# Altium PCB UmTRXv2.PcbDoc (part 6 of 25)
Units mm, origin at the board's own origin, x right, y up, seen from the top; angles counter-clockwise.
Board outline 159.5 x 99.5 mm, 6 copper layers (Top Layer, GND, MidLayer1, Mid-Layer 2, InternalPlane2, Bottom Layer), stack 1.526 mm thick; 708 components, 578 nets, 2802 pads, 1408 vias.
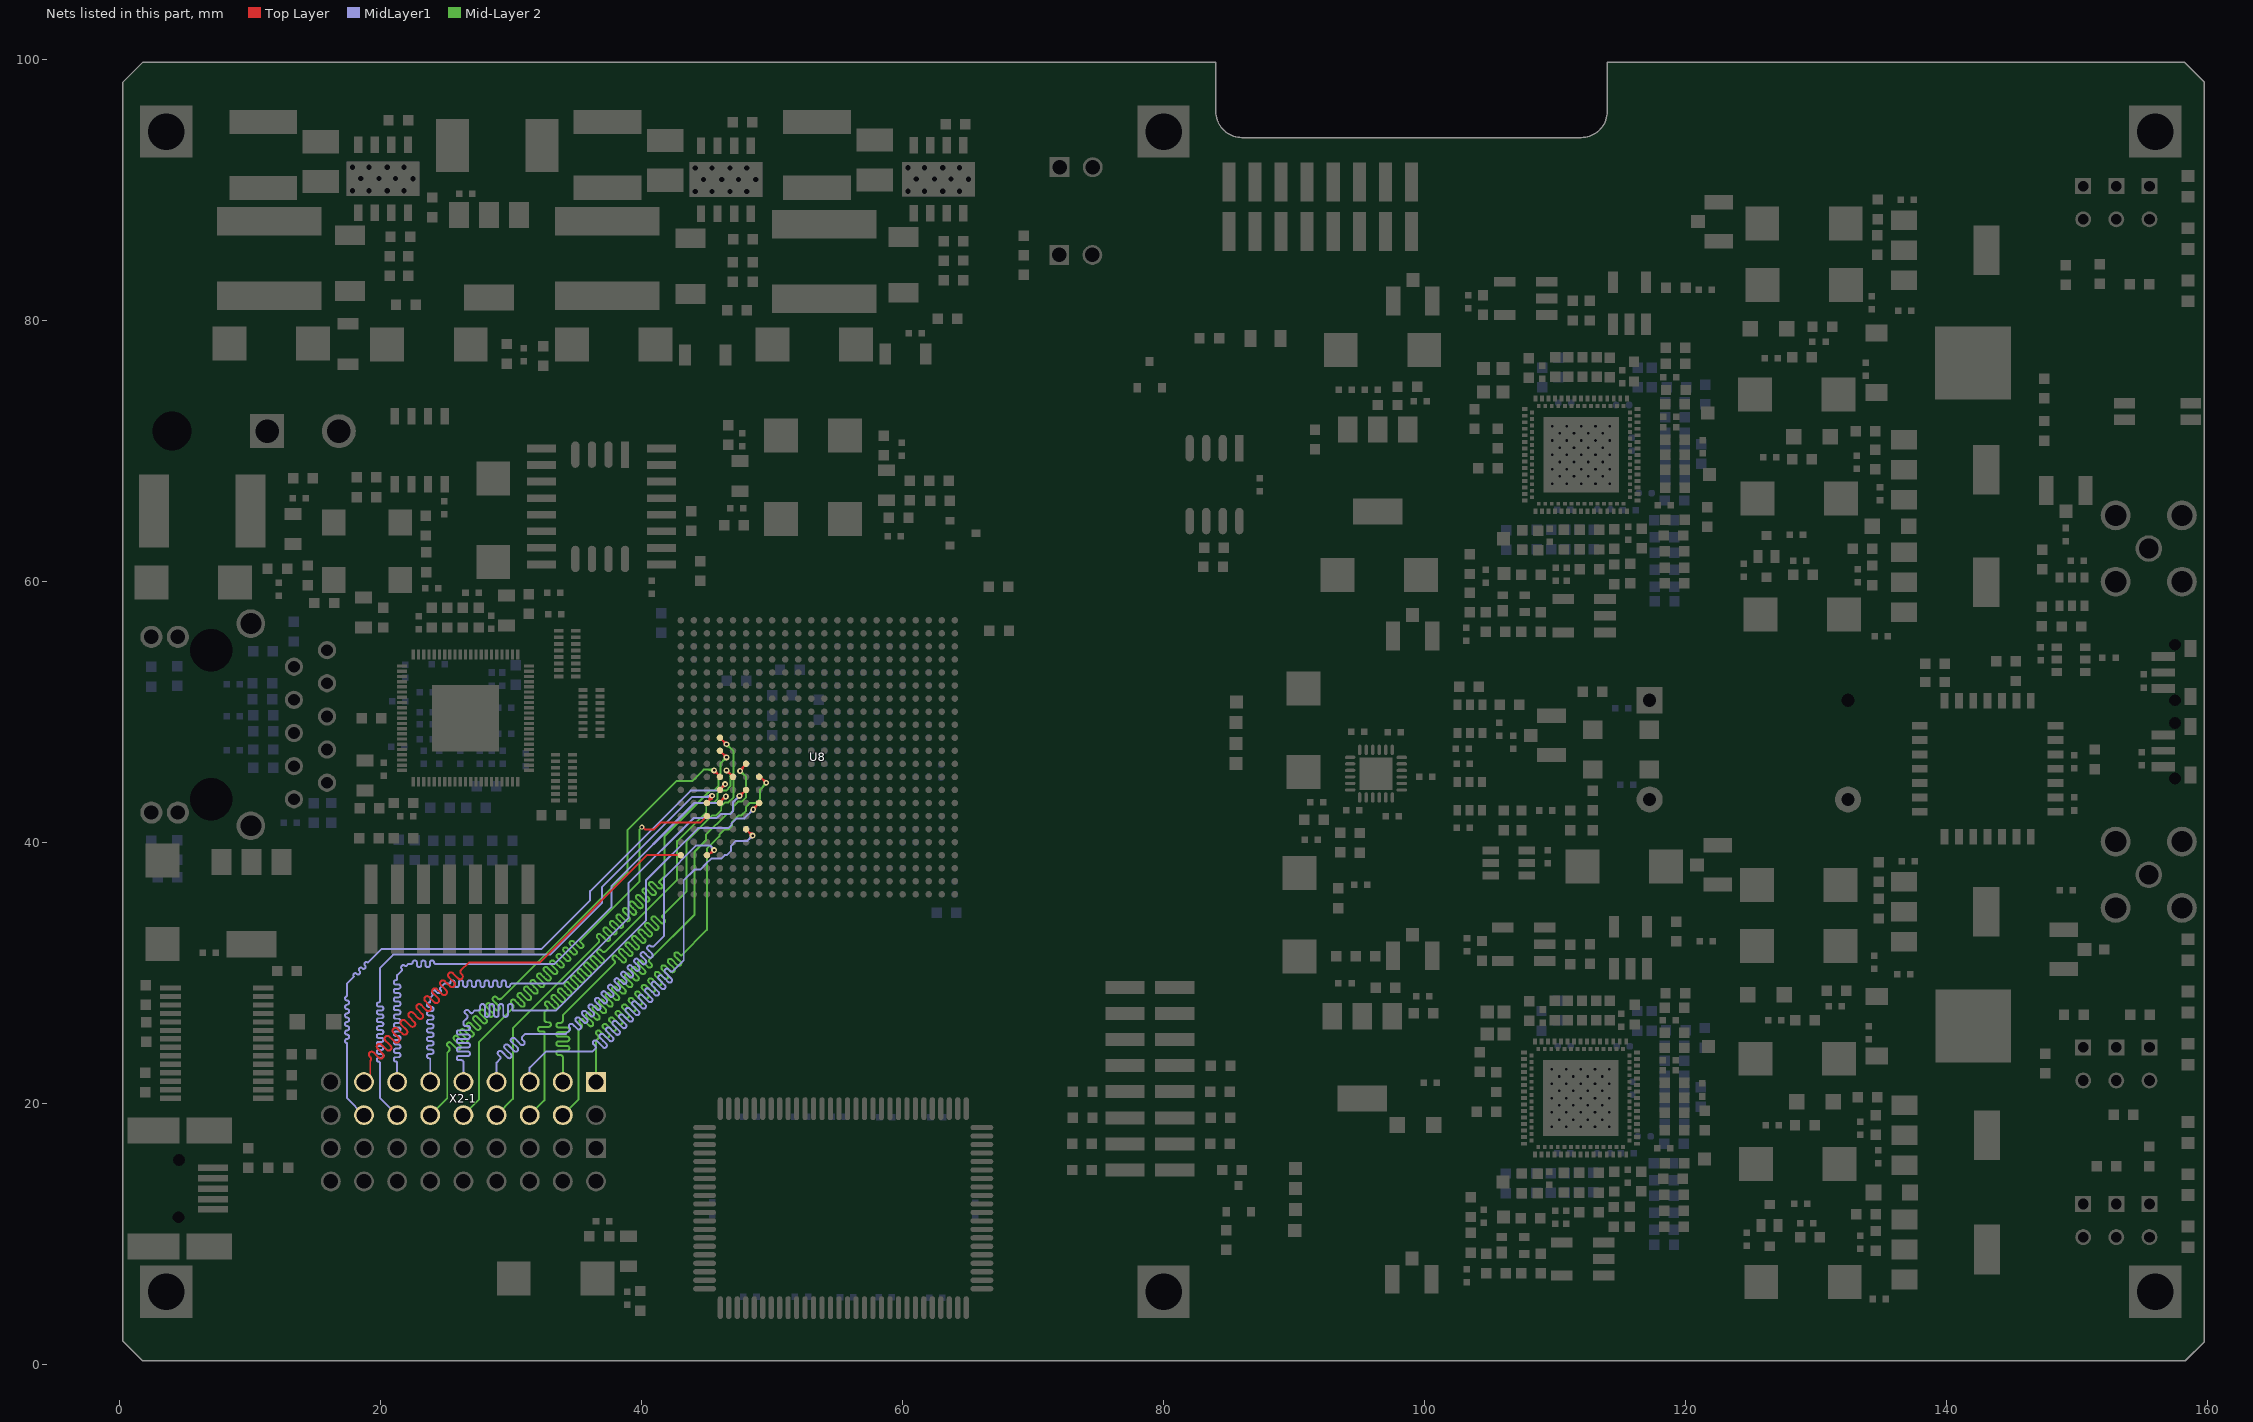
[diagram p10: the nets of this part, all layers, seen from the top]

## Via types
v1: diameter 0.5, hole 0.2, Top Layer to Bottom Layer, tented both sides, 441 vias
v2: diameter 0.45, hole 0.2, Top Layer to Bottom Layer, tented both sides, 429 vias
v3: diameter 0.7, hole 0.3, Top Layer to Bottom Layer, tented both sides, 258 vias
v4: diameter 0.4, hole 0.2, Top Layer to Bottom Layer, tented both sides, 197 vias
v5: diameter 0.8, hole 0.3, Top Layer to Bottom Layer, tented both sides, 61 vias
v6: diameter 0.6, hole 0.25, Top Layer to Bottom Layer, tented both sides, 16 vias
v7: diameter 0.6, hole 0.3, Top Layer to Bottom Layer, tented both sides, 4 vias
v8: diameter 1, hole 0.5, Top Layer to Bottom Layer, tented both sides, 2 vias

## Nets (pads, with @x,y where several pads share a name; then routed paths per layer and width w, separated by ;. In a path a pad name is that pad's centre, name@x,y a point inside that pad or via, vN(x,y) a via of type N, cw(c..) or ccw(c..) an arc to the next point about the centre after c; other vN are vias at no path point) (continued)
DEBUG0: U8.D22 X2-1.15 | length 49.9
  Top Layer w0.15: X2-1.15@18.72,21.62 19.2,22.1 19.2,23.225 ccw(c19.048,23.377) 19.2,23.529 19.15,23.579 cw(c19.302,23.73) 19.15,23.882 cw(c19.302,23.73) 19.454,23.882 19.655,23.68 19.857,23.479 ccw(c20.009,23.631) 20.161,23.479 ccw(c20.009,23.631) 20.161,23.782 19.959,23.984 19.757,24.186 cw(c19.909,24.338) 19.757,24.489 cw(c19.909,24.338) 20.061,24.489 20.263,24.288 20.464,24.086 ccw(c20.616,24.238) 20.768,24.086 ccw(c20.616,24.238) 20.768,24.39 20.566,24.591 20.365,24.793 cw(c20.516,24.945) 20.365,25.097 cw(c20.516,24.945) 20.668,25.097 20.87,24.895 21.072,24.693 ccw(c21.224,24.845) 21.375,24.693 ccw(c21.224,24.845) 21.375,24.997 21.174,25.199 20.972,25.4 cw(c21.124,25.552) 20.972,25.704 cw(c21.124,25.552) 21.275,25.704 21.477,25.502 21.679,25.3 ccw(c21.831,25.452) 21.983,25.3 ccw(c21.831,25.452) 21.983,25.604 21.579,26.008 cw(c21.731,26.159) 21.579,26.311 cw(c21.731,26.159) 21.883,26.311 22.286,25.908 ccw(c22.438,26.06) 22.59,25.908 ccw(c22.438,26.06) 22.59,26.211 22.186,26.615 cw(c22.338,26.767) 22.186,26.918 cw(c22.338,26.767) 22.49,26.918 22.893,26.515 ccw(c23.045,26.667) 23.197,26.515 ccw(c23.045,26.667) 23.197,26.819 22.794,27.222 cw(c22.945,27.374) 22.794,27.526 cw(c22.945,27.374) 23.097,27.526 23.299,27.324 23.501,27.122 ccw(c23.653,27.274) 23.804,27.122 ccw(c23.653,27.274) 23.804,27.426 23.603,27.628 23.401,27.829 cw(c23.553,27.981) 23.401,28.133 cw(c23.553,27.981) 23.705,28.133 23.906,27.931 24.108,27.73 ccw(c24.26,27.881) 24.412,27.73 ccw(c24.26,27.881) 24.412,28.033 24.21,28.235 24.008,28.437 cw(c24.16,28.588) 24.008,28.74 cw(c24.16,28.588) 24.312,28.74 24.514,28.539 24.715,28.337 ccw(c24.867,28.489) 25.019,28.337 ccw(c24.867,28.489) 25.019,28.64 24.817,28.842 24.615,29.044 cw(c24.767,29.196) 24.615,29.348 cw(c24.767,29.196) 24.919,29.348 25.121,29.146 25.323,28.944 ccw(c25.474,29.096) 25.626,28.944 ccw(c25.474,29.096) 25.626,29.248 25.424,29.449 25.223,29.651 cw(c25.375,29.803) 25.223,29.955 cw(c25.375,29.803) 25.526,29.955 25.728,29.753 25.93,29.551 ccw(c26.082,29.703) 26.233,29.551 ccw(c26.082,29.703) 26.233,29.855 26.15,29.938 cw(c26.268,30.057) 26.15,30.175 26.75,30.775 32.175,30.775 40.4,39 U8.D22@43,39
DEBUG1: U8.H19 X2-1.13 | length 54.1
  Top Layer w0.15: U8.H19@45.95,43.05 46.4,43.5 v2(46.45,43.5) ; U8.H19@46.109,43.209 cw(c46.45,42.867) v2@46.45,43.35 ; U8.H19@46.109,43.209 cw(c46.45,42.867) v2@46.45,43.35 ; U8.H19@46.109,43.209 cw(c46.45,42.867) v2@46.45,43.35 ; 46.229,43.329 ccw(c46.059,43.5) v2@46.3,43.5 ; 46.229,43.329 ccw(c46.059,43.5) v2@46.3,43.5 ; 46.229,43.329 ccw(c46.059,43.5) v2@46.3,43.5 ; 46.231,43.291 ccw(c46.15,43.596) v2(46.45,43.5) ; 46.231,43.291 ccw(c46.15,43.596) v2(46.45,43.5) ; 46.231,43.291 ccw(c46.15,43.596) v2(46.45,43.5)
  MidLayer1 w0.15: X2-1.13@21.26,21.62 21.26,23.086 ccw(c21.158,23.086) 21.158,23.189 cw(c21.158,23.336) 21.01,23.336 21.01,23.369 cw(c21.158,23.369) 21.158,23.517 21.362,23.517 ccw(c21.362,23.664) 21.51,23.664 21.51,23.697 ccw(c21.362,23.697) 21.362,23.844 21.158,23.844 cw(c21.158,23.992) 21.01,23.992 21.01,24.025 cw(c21.158,24.025) 21.158,24.172 21.362,24.172 ccw(c21.362,24.32) 21.51,24.32 21.51,24.353 ccw(c21.362,24.353) 21.362,24.5 21.158,24.5 cw(c21.158,24.648) 21.01,24.648 21.01,24.68 cw(c21.158,24.68) 21.158,24.828 21.362,24.828 ccw(c21.362,24.975) 21.51,24.975 21.51,25.008 ccw(c21.362,25.008) 21.362,25.156 21.158,25.156 cw(c21.158,25.303) 21.01,25.303 21.01,25.336 cw(c21.158,25.336) 21.158,25.483 21.362,25.483 ccw(c21.362,25.631) 21.51,25.631 21.51,25.664 ccw(c21.362,25.664) 21.362,25.811 21.158,25.811 cw(c21.158,25.959) 21.01,25.959 21.01,25.992 cw(c21.158,25.992) 21.158,26.139 21.362,26.139 ccw(c21.362,26.287) 21.51,26.287 21.51,26.319 ccw(c21.362,26.319) 21.362,26.467 21.158,26.467 cw(c21.158,26.614) 21.01,26.614 21.01,26.647 cw(c21.158,26.647) 21.158,26.795 21.362,26.795 ccw(c21.362,26.942) 21.51,26.942 21.51,26.975 ccw(c21.362,26.975) 21.362,27.122 21.158,27.122 cw(c21.158,27.27) 21.01,27.27 21.01,27.303 cw(c21.158,27.303) 21.158,27.45 21.362,27.45 ccw(c21.362,27.598) 21.51,27.598 21.51,27.631 ccw(c21.362,27.631) 21.362,27.778 21.158,27.778 cw(c21.158,27.926) 21.01,27.926 21.01,27.958 cw(c21.158,27.958) 21.158,28.106 21.362,28.106 ccw(c21.362,28.253) 21.51,28.253 21.51,28.286 ccw(c21.362,28.286) 21.362,28.434 21.158,28.434 cw(c21.158,28.581) 21.01,28.581 21.01,28.614 cw(c21.158,28.614) 21.158,28.761 21.362,28.761 ccw(c21.362,28.909) 21.51,28.909 21.51,28.942 ccw(c21.362,28.942) 21.362,29.089 21.158,29.089 cw(c21.158,29.237) 21.01,29.237 21.01,29.27 cw(c21.158,29.27) 21.158,29.417 ccw(c21.158,29.52) 21.26,29.52 21.26,29.81 21.606,30.156 ccw(c21.533,30.228) 21.606,30.301 cw(c21.71,30.405) 21.606,30.509 21.629,30.533 cw(c21.733,30.428) 21.838,30.533 ccw(c21.91,30.605) 21.983,30.533 22.125,30.675 22.35,30.675 ccw(c22.35,30.777) 22.453,30.777 cw(c22.6,30.777) 22.6,30.925 22.633,30.925 cw(c22.633,30.777) 22.781,30.777 22.781,30.573 ccw(c22.928,30.573) 22.928,30.425 22.961,30.425 ccw(c22.961,30.573) 23.108,30.573 23.108,30.777 cw(c23.256,30.777) 23.256,30.925 23.289,30.925 cw(c23.289,30.777) 23.436,30.777 23.436,30.573 ccw(c23.584,30.573) 23.584,30.425 23.616,30.425 ccw(c23.616,30.573) 23.764,30.573 23.764,30.777 cw(c23.912,30.777) 23.912,30.925 23.944,30.925 cw(c23.944,30.777) 24.092,30.777 ccw(c24.194,30.777) 24.194,30.675 33.325,30.675 37.675,35.025 37.675,36.625 44.05,43 45.95,43 v2(46.45,43.5) ; 46.194,43.244 cw(c46.45,42.988) v2@46.45,43.35 ; 46.194,43.244 ccw(c45.938,43.5) v2@46.3,43.5 ; 46.194,43.244 ccw(c45.938,43.5) v2@46.3,43.5 ; 46.194,43.244 cw(c46.45,42.988) v2@46.45,43.35 ; 46.194,43.244 ccw(c45.938,43.5) v2@46.3,43.5 ; 46.194,43.244 cw(c46.45,42.988) v2@46.45,43.35
DEBUG2: U8.J17 X2-1.11 | length 54.1
  Top Layer w0.15: U8.J17@48,44 47.55,43.55 v2(47.5,43.55) ; v2(47.5,43.55) cw(c47.8,43.454) 47.719,43.759 ; v2(47.5,43.55) cw(c47.8,43.454) 47.719,43.759 ; v2(47.5,43.55) cw(c47.8,43.454) 47.719,43.759 ; v2@47.5,43.7 ccw(c47.5,44.183) U8.J17@47.841,43.841 ; v2@47.5,43.7 ccw(c47.5,44.183) U8.J17@47.841,43.841 ; v2@47.5,43.7 ccw(c47.5,44.183) U8.J17@47.841,43.841 ; v2@47.65,43.55 cw(c47.891,43.55) 47.721,43.721 ; v2@47.65,43.55 cw(c47.891,43.55) 47.721,43.721 ; v2@47.65,43.55 cw(c47.891,43.55) 47.721,43.721
  MidLayer1 w0.15: X2-1.11@23.8,21.62 23.8,23.336 ccw(c23.698,23.336) 23.698,23.439 cw(c23.698,23.586) 23.55,23.586 23.55,23.619 cw(c23.698,23.619) 23.698,23.767 23.902,23.767 ccw(c23.902,23.914) 24.05,23.914 24.05,23.947 ccw(c23.902,23.947) 23.902,24.094 23.698,24.094 cw(c23.698,24.242) 23.55,24.242 23.55,24.275 cw(c23.698,24.275) 23.698,24.422 23.902,24.422 ccw(c23.902,24.57) 24.05,24.57 24.05,24.603 ccw(c23.902,24.603) 23.902,24.75 23.698,24.75 cw(c23.698,24.898) 23.55,24.898 23.55,24.93 cw(c23.698,24.93) 23.698,25.078 23.902,25.078 ccw(c23.902,25.225) 24.05,25.225 24.05,25.258 ccw(c23.902,25.258) 23.902,25.406 23.698,25.406 cw(c23.698,25.553) 23.55,25.553 23.55,25.586 cw(c23.698,25.586) 23.698,25.733 23.902,25.733 ccw(c23.902,25.881) 24.05,25.881 24.05,25.914 ccw(c23.902,25.914) 23.902,26.061 23.698,26.061 cw(c23.698,26.209) 23.55,26.209 23.55,26.242 cw(c23.698,26.242) 23.698,26.389 23.902,26.389 ccw(c23.902,26.537) 24.05,26.537 24.05,26.569 ccw(c23.902,26.569) 23.902,26.717 23.698,26.717 cw(c23.698,26.864) 23.55,26.864 23.55,26.897 cw(c23.698,26.897) 23.698,27.045 23.902,27.045 ccw(c23.902,27.192) 24.05,27.192 24.05,27.225 ccw(c23.902,27.225) 23.902,27.372 23.698,27.372 cw(c23.698,27.52) 23.55,27.52 23.55,27.553 cw(c23.698,27.553) 23.698,27.7 ccw(c23.698,27.803) 23.8,27.803 23.8,28.075 23.959,28.234 ccw(c23.887,28.307) 23.959,28.379 cw(c24.064,28.484) 23.959,28.588 23.982,28.611 cw(c24.087,28.507) 24.191,28.611 24.336,28.466 ccw(c24.44,28.57) 24.545,28.466 24.568,28.489 ccw(c24.464,28.594) 24.568,28.698 cw(c24.64,28.77) 24.568,28.843 24.875,29.15 25.236,29.15 ccw(c25.236,29.252) 25.339,29.252 cw(c25.486,29.252) 25.486,29.4 25.519,29.4 cw(c25.519,29.252) 25.667,29.252 25.667,29.048 ccw(c25.814,29.048) 25.814,28.9 25.847,28.9 ccw(c25.847,29.048) 25.994,29.048 25.994,29.252 cw(c26.142,29.252) 26.142,29.4 26.175,29.4 cw(c26.175,29.252) 26.322,29.252 26.322,29.048 ccw(c26.47,29.048) 26.47,28.9 26.503,28.9 ccw(c26.503,29.048) 26.65,29.048 26.65,29.252 cw(c26.798,29.252) 26.798,29.4 26.83,29.4 cw(c26.83,29.252) 26.978,29.252 26.978,29.048 ccw(c27.125,29.048) 27.125,28.9 27.158,28.9 ccw(c27.158,29.048) 27.306,29.048 27.306,29.252 cw(c27.453,29.252) 27.453,29.4 27.486,29.4 cw(c27.486,29.252) 27.633,29.252 27.633,29.048 ccw(c27.781,29.048) 27.781,28.9 27.814,28.9 ccw(c27.814,29.048) 27.961,29.048 27.961,29.252 cw(c28.109,29.252) 28.109,29.4 28.142,29.4 cw(c28.142,29.252) 28.289,29.252 28.289,29.048 ccw(c28.437,29.048) 28.437,28.9 28.469,28.9 ccw(c28.469,29.048) 28.617,29.048 28.617,29.252 cw(c28.764,29.252) 28.764,29.4 28.797,29.4 cw(c28.797,29.252) 28.945,29.252 28.945,29.048 ccw(c29.092,29.048) 29.092,28.9 29.125,28.9 ccw(c29.125,29.048) 29.272,29.048 29.272,29.252 cw(c29.42,29.252) 29.42,29.4 29.453,29.4 cw(c29.453,29.252) 29.6,29.252 29.6,29.048 ccw(c29.748,29.048) 29.748,28.9 29.781,28.9 ccw(c29.781,29.048) 29.928,29.048 cw(c30.031,29.048) 30.031,29.15 33.95,29.15 38.975,34.175 38.975,36.832 43.993,41.85 45.769,41.85 46.069,42.15 46.8,42.15 47,42.35 47,43.05 v2(47.5,43.55) ; 47.244,43.294 cw(c47.5,43.038) v2@47.5,43.4 ; 47.244,43.294 ccw(c46.988,43.55) v2@47.35,43.55 ; 47.244,43.294 ccw(c46.988,43.55) v2@47.35,43.55 ; 47.244,43.294 cw(c47.5,43.038) v2@47.5,43.4 ; 47.244,43.294 ccw(c46.988,43.55) v2@47.35,43.55 ; 47.244,43.294 cw(c47.5,43.038) v2@47.5,43.4
DEBUG3: U8.H16 X2-1.9 | length 53.9
  Top Layer w0.15: U8.H16@49,43 48.55,42.55 v2(48.55,42.5) ; v2(48.55,42.5) ccw(c48.454,42.8) 48.759,42.719 ; v2(48.55,42.5) ccw(c48.454,42.8) 48.759,42.719 ; v2(48.55,42.5) ccw(c48.454,42.8) 48.759,42.719 ; v2@48.55,42.65 ccw(c48.55,42.891) 48.721,42.721 ; v2@48.55,42.65 ccw(c48.55,42.891) 48.721,42.721 ; v2@48.55,42.65 ccw(c48.55,42.891) 48.721,42.721 ; v2@48.7,42.5 cw(c49.183,42.5) U8.H16@48.841,42.841 ; v2@48.7,42.5 cw(c49.183,42.5) U8.H16@48.841,42.841 ; v2@48.7,42.5 cw(c49.183,42.5) U8.H16@48.841,42.841
  MidLayer1 w0.15: X2-1.9@26.34,21.62 26.34,23.141 ccw(c26.192,23.141) 26.192,23.289 25.988,23.289 cw(c25.988,23.436) 25.84,23.436 25.84,23.469 cw(c25.988,23.469) 25.988,23.617 26.692,23.617 ccw(c26.692,23.764) 26.84,23.764 26.84,23.797 ccw(c26.692,23.797) 26.692,23.944 25.988,23.944 cw(c25.988,24.092) 25.84,24.092 25.84,24.125 cw(c25.988,24.125) 25.988,24.272 26.692,24.272 ccw(c26.692,24.42) 26.84,24.42 26.84,24.453 ccw(c26.692,24.453) 26.692,24.6 25.988,24.6 cw(c25.988,24.748) 25.84,24.748 25.84,24.78 cw(c25.988,24.78) 25.988,24.928 26.692,24.928 ccw(c26.692,25.075) 26.84,25.075 26.84,25.108 ccw(c26.692,25.108) 26.692,25.256 25.988,25.256 cw(c25.988,25.403) 25.84,25.403 25.84,25.436 cw(c25.988,25.436) 25.988,25.583 26.692,25.583 ccw(c26.692,25.731) 26.84,25.731 26.84,25.764 ccw(c26.692,25.764) 26.692,25.911 26.488,25.911 cw(c26.488,26.059) 26.34,26.059 26.34,26.24 26.624,26.524 ccw(c26.52,26.628) 26.624,26.733 26.479,26.878 cw(c26.583,26.982) 26.479,27.086 26.502,27.109 cw(c26.607,27.005) 26.711,27.109 26.92,26.9 ccw(c26.96,26.94) 27,26.9 27.2,27.1 27.468,27.1 ccw(c27.468,27.259) 27.627,27.259 27.627,27.429 cw(c27.786,27.429) 27.786,27.588 27.821,27.588 cw(c27.821,27.429) 27.98,27.429 27.98,26.771 ccw(c28.139,26.771) 28.139,26.612 28.174,26.612 ccw(c28.174,26.771) 28.333,26.771 28.333,27.429 cw(c28.492,27.429) 28.492,27.588 28.527,27.588 cw(c28.527,27.429) 28.686,27.429 28.686,26.771 ccw(c28.845,26.771) 28.845,26.612 28.88,26.612 ccw(c28.88,26.771) 29.039,26.771 29.039,27.429 cw(c29.198,27.429) 29.198,27.588 29.234,27.588 cw(c29.234,27.429) 29.393,27.429 29.393,26.771 ccw(c29.552,26.771) 29.552,26.612 29.587,26.612 ccw(c29.587,26.771) 29.746,26.771 29.746,27.429 cw(c29.905,27.429) 29.905,27.588 29.94,27.588 cw(c29.94,27.429) 30.099,27.429 30.099,27.1 33.45,27.1 40.35,34 40.35,37.1 44.327,41.077 46.644,41.077 46.878,41.311 46.878,41.419 47.284,41.825 47.875,41.825 v2(48.55,42.5) ; 48.294,42.244 cw(c48.55,41.988) v2@48.55,42.35 ; 48.294,42.244 ccw(c48.038,42.5) v2@48.4,42.5 ; 48.294,42.244 ccw(c48.038,42.5) v2@48.4,42.5 ; 48.294,42.244 cw(c48.55,41.988) v2@48.55,42.35 ; 48.294,42.244 ccw(c48.038,42.5) v2@48.4,42.5 ; 48.294,42.244 cw(c48.55,41.988) v2@48.55,42.35
DEBUG4: U8.D20 X2-1.7 | length 55.3
  Top Layer w0.15: U8.D20@45.05,38.95 45.489,39.389 v2(45.55,39.389) ; U8.D20@45.19,39.09 cw(c45.55,38.731) v2@45.55,39.239 ; U8.D20@45.19,39.09 cw(c45.55,38.731) v2@45.55,39.239 ; U8.D20@45.19,39.09 cw(c45.55,38.731) v2@45.55,39.239 ; 45.325,39.179 ccw(c45.24,39.495) v2(45.55,39.389) ; 45.325,39.179 ccw(c45.24,39.495) v2(45.55,39.389) ; 45.325,39.179 ccw(c45.24,39.495) v2(45.55,39.389) ; 45.337,39.237 ccw(c45.184,39.389) v2@45.4,39.389 ; 45.337,39.237 ccw(c45.184,39.389) v2@45.4,39.389 ; 45.337,39.237 ccw(c45.184,39.389) v2@45.4,39.389
  MidLayer1 w0.15: X2-1.7@28.88,21.62 28.88,23.105 29.137,23.362 ccw(c29.025,23.475) 29.137,23.587 29.009,23.716 cw(c29.121,23.828) 29.009,23.941 29.034,23.966 cw(c29.146,23.853) 29.258,23.966 29.741,23.483 ccw(c29.853,23.596) 29.966,23.483 29.991,23.508 ccw(c29.878,23.621) 29.991,23.733 29.749,23.974 29.508,24.216 cw(c29.621,24.328) 29.508,24.44 29.533,24.465 cw(c29.646,24.353) 29.758,24.465 30.24,23.983 ccw(c30.353,24.095) 30.465,23.983 30.49,24.008 ccw(c30.378,24.12) 30.49,24.233 30.008,24.715 cw(c30.12,24.827) 30.008,24.94 30.033,24.965 cw(c30.145,24.852) 30.257,24.965 30.499,24.724 30.74,24.482 ccw(c30.852,24.595) 30.965,24.482 30.99,24.507 ccw(c30.877,24.62) 30.99,24.732 30.861,24.861 cw(c30.973,24.973) 30.861,25.086 31.075,25.3 34.2,25.3 34.464,25.564 ccw(c34.353,25.675) 34.464,25.786 cw(c34.576,25.898) 34.464,26.011 34.489,26.035 cw(c34.601,25.923) 34.714,26.035 34.825,25.925 35.062,25.687 ccw(c35.175,25.799) 35.287,25.687 35.312,25.712 ccw(c35.2,25.824) 35.312,25.937 35.074,26.174 34.967,26.282 cw(c35.079,26.394) 34.967,26.506 34.992,26.531 cw(c35.104,26.419) 35.217,26.531 35.324,26.424 35.562,26.187 ccw(c35.674,26.299) 35.787,26.187 35.811,26.211 ccw(c35.699,26.324) 35.811,26.436 35.574,26.674 35.467,26.781 cw(c35.579,26.894) 35.467,27.006 35.492,27.031 cw(c35.604,26.919) 35.716,27.031 35.824,26.924 36.061,26.686 ccw(c36.174,26.798) 36.286,26.686 36.311,26.711 ccw(c36.199,26.823) 36.311,26.936 36.073,27.173 35.966,27.281 cw(c36.078,27.393) 35.966,27.505 35.991,27.53 cw(c36.103,27.418) 36.216,27.53 36.323,27.423 36.561,27.186 ccw(c36.673,27.298) 36.786,27.186 36.81,27.21 ccw(c36.698,27.323) 36.81,27.435 36.573,27.673 36.466,27.78 cw(c36.578,27.893) 36.466,28.005 36.491,28.03 cw(c36.603,27.918) 36.715,28.03 36.823,27.923 37.06,27.685 ccw(c37.173,27.797) 37.285,27.685 37.31,27.71 ccw(c37.198,27.822) 37.31,27.935 37.072,28.172 36.965,28.28 cw(c37.077,28.392) 36.965,28.504 36.99,28.529 cw(c37.102,28.417) 37.215,28.529 37.322,28.422 37.56,28.185 ccw(c37.672,28.297) 37.785,28.185 37.809,28.209 ccw(c37.697,28.322) 37.809,28.434 37.572,28.672 37.465,28.779 cw(c37.577,28.892) 37.465,29.004 37.49,29.029 cw(c37.602,28.917) 37.714,29.029 37.822,28.922 38.059,28.684 ccw(c38.172,28.796) 38.284,28.684 38.309,28.709 ccw(c38.197,28.821) 38.309,28.934 38.071,29.171 37.964,29.279 cw(c38.076,29.391) 37.964,29.503 37.989,29.528 cw(c38.101,29.416) 38.214,29.528 38.559,29.184 ccw(c38.671,29.296) 38.784,29.184 38.808,29.208 ccw(c38.696,29.321) 38.808,29.433 38.571,29.671 38.464,29.778 cw(c38.576,29.891) 38.464,30.003 38.489,30.028 cw(c38.601,29.916) 38.713,30.028 38.821,29.921 39.058,29.683 ccw(c39.171,29.795) 39.283,29.683 39.308,29.708 ccw(c39.196,29.82) 39.308,29.933 39.07,30.17 38.963,30.278 cw(c39.075,30.39) 38.963,30.502 38.988,30.527 cw(c39.1,30.415) 39.213,30.527 39.32,30.42 39.558,30.183 ccw(c39.67,30.295) 39.783,30.183 39.807,30.207 ccw(c39.695,30.32) 39.807,30.432 39.57,30.67 39.463,30.777 cw(c39.575,30.89) 39.463,31.002 39.488,31.027 cw(c39.6,30.915) 39.712,31.027 39.82,30.92 40.057,30.682 ccw(c40.17,30.794) 40.282,30.682 40.307,30.707 ccw(c40.195,30.819) 40.307,30.932 40.069,31.169 39.962,31.277 cw(c40.074,31.389) 39.962,31.501 39.987,31.526 cw(c40.099,31.414) 40.212,31.526 40.319,31.419 40.557,31.182 ccw(c40.669,31.294) 40.782,31.182 40.806,31.206 ccw(c40.694,31.319) 40.806,31.431 40.569,31.669 40.462,31.776 cw(c40.574,31.889) 40.462,32.001 40.487,32.026 cw(c40.599,31.914) 40.708,32.029 ; 40.708,32.029 ccw(c40.819,32.14) 40.711,32.026 ; 40.708,32.029 cw(c40.599,31.914) 40.711,32.026 ; 40.708,32.029 40.711,32.026 ; 40.711,32.026 ccw(c40.819,32.14) 40.929,32.029 41.7,32.8 41.7,37.25 44.2,39.75 45.25,39.75 45.55,39.45 v2(45.55,39.389) ; 45.251,39.749 cw(c44.891,39.389) v2@45.4,39.389 ; 45.251,39.749 cw(c44.891,39.389) v2@45.4,39.389 ; 45.251,39.749 cw(c44.891,39.389) v2@45.4,39.389 ; 45.34,39.614 ccw(c45.656,39.699) v2(45.55,39.389) ; 45.34,39.614 ccw(c45.656,39.699) v2(45.55,39.389) ; 45.34,39.614 ccw(c45.656,39.699) v2(45.55,39.389) ; 45.397,39.603 ccw(c45.55,39.755) v2@45.55,39.539 ; 45.397,39.603 ccw(c45.55,39.755) v2@45.55,39.539 ; 45.397,39.603 ccw(c45.55,39.755) v2@45.55,39.539
DEBUG5: U8.F17 X2-1.5 | length 56.6
  Top Layer w0.15: U8.F17@48,41 48.301,40.699 ; 48.244,40.756 cw(c47.988,40.5) v2@48.35,40.5 ; 48.244,40.756 ccw(c48.5,41.012) v2@48.5,40.65 ; 48.244,40.756 ccw(c48.5,41.012) v2@48.5,40.65 ; 48.244,40.756 cw(c47.988,40.5) v2@48.35,40.5 ; 48.244,40.756 ccw(c48.5,41.012) v2@48.5,40.65 ; 48.244,40.756 cw(c47.988,40.5) v2@48.35,40.5 ; 48.299,40.689 ccw(c48.553,40.757) v2(48.5,40.5) ; 48.299,40.689 ccw(c48.553,40.757) v2(48.5,40.5) ; 48.299,40.689 ccw(c48.553,40.757) v2(48.5,40.5) ; 48.301,40.699 cw(c48.166,40.565) v2@48.353,40.529 ; 48.301,40.699 ccw(c48.435,40.834) v2@48.471,40.647 ; 48.301,40.699 cw(c48.166,40.565) v2@48.353,40.529 ; 48.301,40.699 ccw(c48.435,40.834) v2@48.471,40.647 ; 48.301,40.699 ccw(c48.435,40.834) v2@48.471,40.647 ; 48.301,40.699 cw(c48.166,40.565) v2@48.353,40.529 ; 48.301,40.699 ccw(c48.435,40.834) v2@48.471,40.647 ; 48.301,40.699 cw(c48.166,40.565) v2@48.353,40.529 ; 48.301,40.699 ccw(c48.435,40.834) v2@48.471,40.647 ; 48.301,40.699 cw(c48.166,40.565) v2@48.353,40.529 ; 48.301,40.699 ccw(c48.435,40.834) v2@48.471,40.647 ; 48.301,40.699 cw(c48.166,40.565) v2@48.353,40.529 ; 48.301,40.699 v2(48.5,40.5) ; 48.311,40.701 cw(c48.243,40.447) v2(48.5,40.5) ; 48.311,40.701 cw(c48.243,40.447) v2(48.5,40.5) ; 48.311,40.701 cw(c48.243,40.447) v2(48.5,40.5)
  MidLayer1 w0.15: X2-1.5@31.42,21.62 31.42,22.72 32.65,23.95 36.225,23.95 36.437,24.162 ccw(c36.325,24.275) 36.437,24.387 36.309,24.516 cw(c36.421,24.628) 36.309,24.741 36.334,24.766 cw(c36.446,24.653) 36.558,24.766 37.041,24.283 ccw(c37.153,24.396) 37.266,24.283 37.291,24.308 ccw(c37.178,24.421) 37.291,24.533 37.049,24.774 36.808,25.016 cw(c36.921,25.128) 36.808,25.24 36.833,25.265 cw(c36.946,25.153) 37.058,25.265 37.54,24.783 ccw(c37.653,24.895) 37.765,24.783 37.79,24.808 ccw(c37.678,24.92) 37.79,25.033 37.308,25.515 cw(c37.42,25.627) 37.308,25.74 37.333,25.765 cw(c37.445,25.652) 37.557,25.765 37.799,25.524 38.04,25.282 ccw(c38.152,25.395) 38.265,25.282 38.29,25.307 ccw(c38.177,25.42) 38.29,25.532 38.048,25.773 37.807,26.015 cw(c37.92,26.127) 37.807,26.239 37.832,26.264 cw(c37.945,26.152) 38.057,26.264 38.539,25.782 ccw(c38.652,25.894) 38.764,25.782 38.789,25.807 ccw(c38.677,25.919) 38.789,26.032 38.307,26.514 cw(c38.419,26.626) 38.307,26.739 38.332,26.764 cw(c38.444,26.651) 38.556,26.764 38.798,26.523 39.039,26.281 ccw(c39.151,26.394) 39.264,26.281 39.289,26.306 ccw(c39.176,26.419) 39.289,26.531 39.047,26.772 38.806,27.014 cw(c38.919,27.126) 38.806,27.238 38.831,27.263 cw(c38.944,27.151) 39.056,27.263 39.538,26.781 ccw(c39.651,26.893) 39.763,26.781 39.788,26.806 ccw(c39.676,26.918) 39.788,27.031 39.306,27.513 cw(c39.418,27.625) 39.306,27.738 39.331,27.763 cw(c39.443,27.65) 39.555,27.763 39.797,27.522 40.038,27.28 ccw(c40.15,27.393) 40.263,27.28 40.288,27.305 ccw(c40.175,27.418) 40.288,27.53 40.046,27.771 39.805,28.013 cw(c39.918,28.125) 39.805,28.237 39.83,28.262 cw(c39.943,28.15) 40.055,28.262 40.537,27.78 ccw(c40.65,27.892) 40.762,27.78 40.787,27.805 ccw(c40.675,27.917) 40.787,28.03 40.305,28.512 cw(c40.417,28.624) 40.305,28.737 40.33,28.762 cw(c40.442,28.649) 40.554,28.762 40.796,28.521 41.037,28.279 ccw(c41.149,28.392) 41.262,28.279 41.287,28.304 ccw(c41.174,28.417) 41.287,28.529 40.804,29.012 cw(c40.917,29.124) 40.804,29.236 40.829,29.261 cw(c40.942,29.149) 41.054,29.261 41.536,28.779 ccw(c41.649,28.891) 41.761,28.779 41.786,28.804 ccw(c41.674,28.916) 41.786,29.029 41.545,29.27 41.304,29.511 cw(c41.416,29.623) 41.304,29.736 41.329,29.761 cw(c41.441,29.648) 41.553,29.761 41.795,29.52 42.036,29.278 ccw(c42.148,29.391) 42.261,29.278 42.286,29.303 ccw(c42.173,29.416) 42.286,29.528 41.803,30.011 cw(c41.916,30.123) 41.803,30.235 41.828,30.26 cw(c41.941,30.148) 42.053,30.26 42.182,30.132 ccw(c42.294,30.244) 42.407,30.132 43.225,30.95 43.225,37.075 44.05,37.9 44.501,37.9 44.925,38.324 44.925,38.33 45.334,38.739 46.089,38.739 46.35,39 46.516,39 46.85,39.334 46.85,39.725 47.225,40.1 48.1,40.1 v2(48.5,40.5) ; 48.244,40.244 cw(c48.5,39.988) 48.5,40.35 ccw(c48.5,39.988) 48.244,40.244 ; 48.244,40.244 ccw(c47.988,40.5) 48.35,40.5 cw(c47.988,40.5) 48.244,40.244